# Altium PCB STM PCB.PcbDoc (part 1 of 3) (continued)
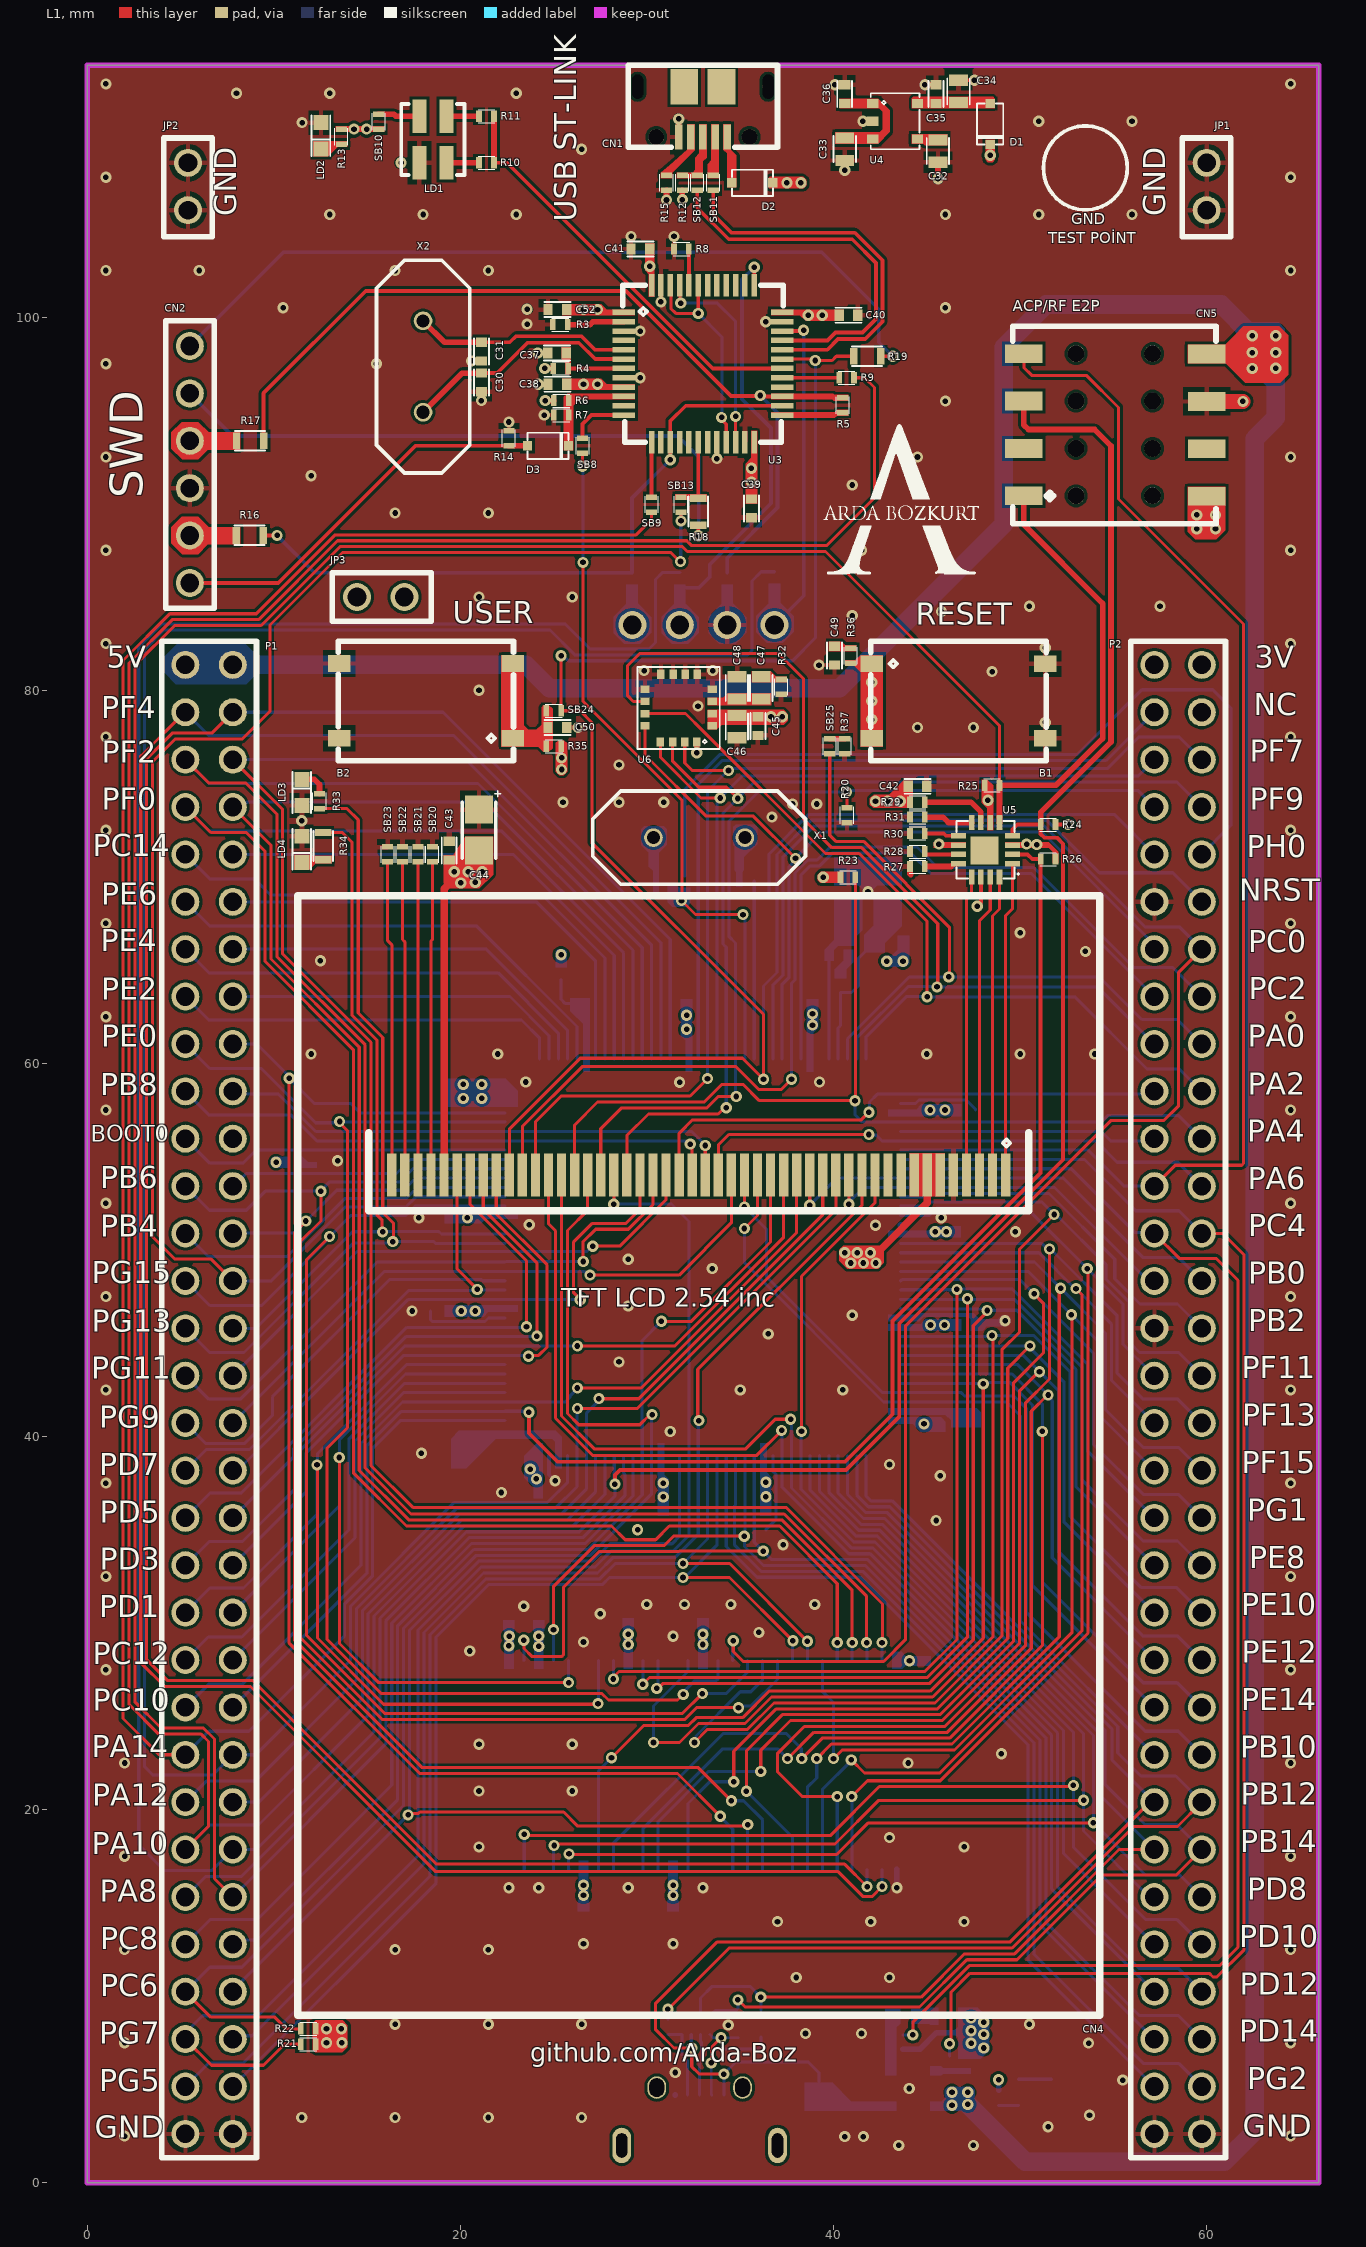
[diagram p0: L1 view]
## Footprints (in the part's own frame and the unit in brackets; to place one, negate y for a bottom-side part, rotate by r counter-clockwise, add the part's x,y. Pads: shape width x height; smd on the part's side, far side on the other; paste and mask are expansions set on the pad) (continued)
SHUNT [mm]
  body extent -2.54,-1.27 2.54,1.27
SOD-323 [mm]
  rect 0.5x0.5 smd mask+0.005: 1(-1.1,0) 2(1.1,0)
  silkscreen extent -1.1,-0.7 1.1,0.7, body extent -1.25,-0.64 1.25,0.64, height 1.17
SOT23-3 [mm]
  rect 0.6x1 smd mask+0.005: 1(-0.95,-1) 2(0.95,-1) 3(0,1)
  silkscreen extent -1.45,-1.1 1.45,0.95, body extent -1.46,-1.18 1.46,1.18, height 1.11
SOT23-5L [mm]
  rect 0.5x0.6 smd mask+0.005: 1(-0.95,-1.2) 2(0,-1.2) 3(0.95,-1.2) 4(0.95,1.2) 5(-0.95,1.2)
  silkscreen extent -1.5,-1.3 1.5,1.3, body extent -1.46,-1.4 1.46,1.4, height 1.45
"USB MİCRO A" [mm]
  oval 1x1.9 hole 0.6 slot 1.3 at 90 deg mask+0.005: 0(-4.175,-1.55) 0(4.175,-1.55)
  oval 1x1.2 hole 0.8 slot 1 at 90 deg mask+0.005: 0(-2.3,1.55) 0(2.3,1.55)
  rect 0.4x1.4 smd mask+0.005: 1(-1.3,1.15) 2(-0.65,1.15) 3(0,1.15) 4(0.65,1.15) 5(1.3,1.15)
  rect 2.9x1.9 smd mask+0.005: 7(0,-1.55)
  silkscreen extent -4.7,-2.6 4.7,1.7, body extent -4.3,-4.25 4.35,1.65, height 2.71
"USB MİCRO B" [mm]
  round 0.6 hole 0.6 slot 1.3 at 90 deg mask+0.005: 0(-3.5,-1.35) 0(3.5,-1.35)
  round 0.85 hole 0.85 mask+0.005: 0(-2.5,1.35) 0(2.5,1.35)
  rect 1.5x1.9 smd mask+0.005: 0(-1,-1.35) 0(1,-1.35)
  rect 0.4x1.35 smd mask+0.005: 1(-1.3,1.35) 2(-0.65,1.35) 3(0,1.35) 4(0.65,1.35) 5(1.3,1.35)
  silkscreen extent -4,-2.5 4,1.9, body extent -4,-3.85 4,1.55, height 2.75

## Part data
B1: library part "BLUE SWITCH TACTILE", "Switch Tactile N.O. SPST Round Button Gull Wing 0.05A 32VDC 1VA 300000Cycle 1.7N SMD T/R", Color=B, Manufacturer="ITT C&K", Manufacturer Part Number=KSC721GLFS, Supplier Part Number=3464289, ComponentLink1Description=https://datasheet.ciiva.com/2900/ksc-2900329.pdf?src-supplier=Digikey, ComponentLink1URL=https://datasheet.ciiva.com/2900/ksc-2900329.pdf?src-supplier=Digikey, ComponentLink2Description=https://datasheet.ciiva.com/2900/ksc-2900330.pdf?src-supplier=Digikey, ComponentLink2URL=https://datasheet.ciiva.com/2900/ksc-2900330.pdf?src-supplier=Digikey, ComponentLink3Description=https://datasheet.ciiva.com/2900/ksc-2900331.pdf?src-supplier=Digikey, ComponentLink3URL=https://datasheet.ciiva.com/2900/ksc-2900331.pdf?src-supplier=Digikey, Pricing="1=0,63, 10=0,59, 25=0,57, 50=0,54, 100=0,52, 250=0,47 (EUR)", RoHS=Yes, Stock=488, Supplier=Farnell
B2: library part "BLACK SWITCH TACTILE", "Switch Tactile N.O. SPST Round Button Gull Wing 0.05A 32VDC 1VA 300000Cycles 1.7N SMD Automotive T/R", Color=Black, Manufacturer="ITT C&K", Supplier Part Number=6485577, Category="Tactile Switches", ComponentLink1Description=https://datasheet.ciiva.com/26903/getdatasheetpartid-80827-26903733.pdf?src-supplier=Verical, ComponentLink1URL=https://datasheet.ciiva.com/26903/getdatasheetpartid-80827-26903733.pdf?src-supplier=Verical, ComponentLink2Description=https://datasheet.ciiva.com/16223/ksc321g20lfs-16223899.pdf?src-supplier=Future+Electronics, ComponentLink2URL=https://datasheet.ciiva.com/16223/ksc321g20lfs-16223899.pdf?src-supplier=Future+Electronics, ComponentLink3Description=https://datasheet.ciiva.com/30466/0900766b8129ca31-30466704.pdf?src-supplier=Rs, ComponentLink3URL=https://datasheet.ciiva.com/30466/0900766b8129ca31-30466704.pdf?src-supplier=Rs, ComponentLink4Description=https://datasheet.ciiva.com/2900/ksc-2900204.pdf?src-supplier=Digikey, ComponentLink4URL=https://datasheet.ciiva.com/2900/ksc-2900204.pdf?src-supplier=Digikey, ComponentLink5Description=https://datasheet.ciiva.com/2900/ksc-2900205.pdf?src-supplier=Digikey, ComponentLink5URL=https://datasheet.ciiva.com/2900/ksc-2900205.pdf?src-supplier=Digikey, ComponentLink6Description=https://datasheet.ciiva.com/2900/ksc-2900206.pdf?src-supplier=Digikey, ComponentLink6URL=https://datasheet.ciiva.com/2900/ksc-2900206.pdf?src-supplier=Digikey, ComponentLink7Description=https://datasheet.ciiva.com/16155/ksc-11mar10-16155558.pdf?src-supplier=Onlinecomponents.com, ComponentLink7URL=https://datasheet.ciiva.com/16155/ksc-11mar10-16155558.pdf?src-supplier=Onlinecomponents.com, ComponentLink8Description=https://datasheet.ciiva.com/46381/1707722-46381951.pdf?src-supplier=Element14, ComponentLink8URL=https://datasheet.ciiva.com/46381/1707722-46381951.pdf?src-supplier=Element14, ComponentLink9Description=https://datasheet.ciiva.com/7987/320569-7987016.pdf?src-supplier=Element14, ComponentLink9URL=https://datasheet.ciiva.com/7987/320569-7987016.pdf?src-supplier=Element14, Manufacturer Part Number=KSC321GLFS, Pricing="2000=0,28 (USD)", RoHS=Yes, Stock=10000, Supplier="Future Electronics"
C1 C3: library part "C-TANT 1UF 10% 16V 1206", "Cap Tant Solid 1uF 16V A CASE 10%( 3.2 X 1.6 X 1.6mm) Inward L SMD 3216-18 11 Ohm 125C T/R", Case Code (Metric)=3216, Case Code (Imperial)=1206, Dielectric Material=Tantalum, ESR (Equivalent Series Resistance)=11R, Leakage Current=500nA, Manufacturer="Kyocera AVX", Max Operating Temperature=125°C, Min Operating Temperature=-55°C, Tolerance=20%, Voltage=16V, Case/Package=1206, Category="Tantalum Capacitors", ComponentLink1Description=https://datasheet.ciiva.com/18710/taj-eng-18710647.pdf?src-supplier=Distrelec, ComponentLink1URL=https://datasheet.ciiva.com/18710/taj-eng-18710647.pdf?src-supplier=Distrelec, ComponentLink2Description=https://datasheet.ciiva.com/7832/taj-7832811.pdf?src-supplier=Element14, ComponentLink2URL=https://datasheet.ciiva.com/7832/taj-7832811.pdf?src-supplier=Element14, ComponentLink3Description=https://datasheet.ciiva.com/7832/taj-7832810.pdf?src-supplier=Element14, ComponentLink3URL=https://datasheet.ciiva.com/7832/taj-7832810.pdf?src-supplier=Element14, ComponentLink4Description=https://datasheet.ciiva.com/7832/1680476-7832431.pdf?src-supplier=Element14, ComponentLink4URL=https://datasheet.ciiva.com/7832/1680476-7832431.pdf?src-supplier=Element14, ComponentLink5Description=https://datasheet.ciiva.com/263/taj-263410.pdf?src-supplier=Digikey, ComponentLink5URL=https://datasheet.ciiva.com/263/taj-263410.pdf?src-supplier=Digikey, ComponentLink6Description=https://datasheet.ciiva.com/263/taj-263409.pdf?src-supplier=Digikey, ComponentLink6URL=https://datasheet.ciiva.com/263/taj-263409.pdf?src-supplier=Digikey, ComponentLink7Description=https://datasheet.ciiva.com/263/taj-263411.pdf?src-supplier=Digikey, ComponentLink7URL=https://datasheet.ciiva.com/263/taj-263411.pdf?src-supplier=Digikey, ComponentLink8Description=https://datasheet.ciiva.com/7832/1703059-7832429.pdf?src-supplier=Element14, ComponentLink8URL=https://datasheet.ciiva.com/7832/1703059-7832429.pdf?src-supplier=Element14, ComponentLink9Description=https://datasheet.ciiva.com/7832/1703059-7832430.pdf?src-supplier=Element14, ComponentLink9URL=https://datasheet.ciiva.com/7832/1703059-7832430.pdf?src-supplier=Element14, Depth=1.6mm, Dissipation Factor=4%, Features="General Purpose", Height=1.6mm, Lead Pitch=1.1mm, Length=3.2mm, Manufacturer Part Number=TAJA105K016RNJ, Mounting Technology="Surface Mount,PCB", Packaging="Tape and Reel", Pins=2, Pricing="2000=0,15379 (USD)", Reach SVHC Compliant=No, RoHS=Yes, RoHS Compliant=Yes, Series=TAJ, Stock=104000, Supplier=Avnet, Supplier Part Number=TAJA105K016RNJ, Termination=SMD/SMT, Voltage Rating=16V, Voltage Rating (DC)=16V, Weight=0.000571oz, Width=1.6mm
C2 C4 C6 C7 C8 C9 C10 C11 C12 C13 C14 C15 C16 C17 C18 C23 C24 C25 C26 C27 C28 C29 C35 C36 C37 C38 C39 C40 C41 C42 C43 C45 C49 C50 C52: library part "CAP CER 100nF 16V X7R 0402", "Multilayer Ceramic Capacitor, 0.1 uF, 25 V, ± 10%, X7R, 0402 [1005 Metric]", Case Code (Metric)=1005, Case Code (Imperial)=0402, Dielectric=X7R, Manufacturer=Yageo, Max Operating Temperature=125°C, Min Operating Temperature=-55°C, Package Quantity=1, Supplier Part Number=8517856, Temperature Coefficient=30ppm/°C, Tolerance=10%, Voltage=16V, Case/Package=0402, Category="Ceramic Capacitors", ComponentLink1Description=https://datasheet.ciiva.com/11788/0900766b80ce67ed-11788364.pdf?src-supplier=Rs, ComponentLink1URL=https://datasheet.ciiva.com/11788/0900766b80ce67ed-11788364.pdf?src-supplier=Rs, ComponentLink2Description=https://datasheet.ciiva.com/7978/1489800-7978111.pdf?src-supplier=Element14, ComponentLink2URL=https://datasheet.ciiva.com/7978/1489800-7978111.pdf?src-supplier=Element14, ComponentLink3Description=https://datasheet.ciiva.com/161/mlccorderingcode-161545.pdf?src-supplier=Digikey, ComponentLink3URL=https://datasheet.ciiva.com/161/mlccorderingcode-161545.pdf?src-supplier=Digikey, ComponentLink4Description=https://datasheet.ciiva.com/161/mlccorderingcode-161544.pdf?src-supplier=Digikey, ComponentLink4URL=https://datasheet.ciiva.com/161/mlccorderingcode-161544.pdf?src-supplier=Digikey, ComponentLink5Description=https://datasheet.ciiva.com/161/mlccorderingcode-161546.pdf?src-supplier=Digikey, ComponentLink5URL=https://datasheet.ciiva.com/161/mlccorderingcode-161546.pdf?src-supplier=Digikey, ComponentLink6Description=https://datasheet.ciiva.com/8033/1734573-8033661.pdf?src-supplier=Element14, ComponentLink6URL=https://datasheet.ciiva.com/8033/1734573-8033661.pdf?src-supplier=Element14, ComponentLink7Description=https://datasheet.ciiva.com/11587/upy-gphc-x7r-6-3v-to-50v-8-11587305.pdf?src-supplier=Avnet, ComponentLink7URL=https://datasheet.ciiva.com/11587/upy-gphc-x7r-6-3v-to-50v-8-11587305.pdf?src-supplier=Avnet, ComponentLink8Description=https://datasheet.ciiva.com/28450/1489800-28450335.pdf?src-supplier=Element14, ComponentLink8URL=https://datasheet.ciiva.com/28450/1489800-28450335.pdf?src-supplier=Element14, ComponentLink9Description=https://datasheet.ciiva.com/13395/upy-gphc-x7r-6-3v-to-50v-8-13395676.pdf?src-supplier=Mouser, ComponentLink9URL=https://datasheet.ciiva.com/13395/upy-gphc-x7r-6-3v-to-50v-8-13395676.pdf?src-supplier=Mouser, ComponentLink10Description=https://datasheet.ciiva.com/8033/1734573-8033663.pdf?src-supplier=Element14, ComponentLink10URL=https://datasheet.ciiva.com/8033/1734573-8033663.pdf?src-supplier=Element14, Depth=0.5mm, Halogen Free=5694HalogenFree, Height=0.5mm, Lead Free=5697LeadFree, Length=1mm, Manufacturer Part Number=CC0402KRX7R7BB104, Material=4241ConductorMaterial, Mounting Technology="Surface Mount", Packaging="Tape and Reel", Pins=2, Pricing="10000=0,0028, 40000=0,0027, 150000=0,0025, 300000=0,0025, 750000=0,0023 (USD)", Radiation Hardening=No, Reach SVHC Compliant=No, RoHS=Yes, RoHS Compliant=Yes, Series=CC, Stock=30330000, Supplier="Future Electronics", Termination=SMD/SMT, Thickness=0.022inch, Voltage Rating=16V, Voltage Rating (AC)=16V, Voltage Rating (DC)=16V, Width=0.02inch
C5 C19 C30 C31: library part "CAP CER 20PF 50V C0G/NPO 0402", "CAP CER 20PF 50V C0G/NPO 0402", Manufacturer=Yageo, Supplier Part Number=9739384, Temperature Coefficient=30ppm/°C, Category="Ceramic Capacitors", ComponentLink1Description=https://datasheet.ciiva.com/176/mlccorderingcode-176360.pdf?src-supplier=Digikey, ComponentLink1URL=https://datasheet.ciiva.com/176/mlccorderingcode-176360.pdf?src-supplier=Digikey, ComponentLink2Description=https://datasheet.ciiva.com/176/mlccorderingcode-176361.pdf?src-supplier=Digikey, ComponentLink2URL=https://datasheet.ciiva.com/176/mlccorderingcode-176361.pdf?src-supplier=Digikey, ComponentLink3Description=https://datasheet.ciiva.com/176/mlccorderingcode-176362.pdf?src-supplier=Digikey, ComponentLink3URL=https://datasheet.ciiva.com/176/mlccorderingcode-176362.pdf?src-supplier=Digikey, ComponentLink4Description=https://datasheet.ciiva.com/7656/1132289-7656614.pdf?src-supplier=Element14, ComponentLink4URL=https://datasheet.ciiva.com/7656/1132289-7656614.pdf?src-supplier=Element14, ComponentLink5Description=https://datasheet.ciiva.com/5427/upy-gp-np0-16v-to-50v-8-3714-5427769.pdf?src-supplier=Mouser, ComponentLink5URL=https://datasheet.ciiva.com/5427/upy-gp-np0-16v-to-50v-8-3714-5427769.pdf?src-supplier=Mouser, Halogen Free=5694HalogenFree, Manufacturer Part Number=CC0402JRNPO9BN200, Pricing="10000=0,0025, 40000=0,0023, 150000=0,0022, 300000=0,0022, 750000=0,002 (USD)", RoHS=Yes, Stock=60000, Supplier="Future Electronics"
C20 C33 C34: library part "CAP CER 1UF 25V X5R 0603", "Multilayer Ceramic Capacitor, 1 uF, 25 V, ± 10%, X5R, 0603 [1608 Metric]", Case Code (Metric)=1608, Case Code (Imperial)=0603, Dielectric=X5R, Manufacturer=Yageo, Max Operating Temperature=85°C, Min Operating Temperature=-55°C, Supplier Part Number=5636071, Tolerance=10%, Voltage Rating=25V, Case/Package=0603, Category="Ceramic Capacitors", ComponentLink1Description=https://datasheet.ciiva.com/7978/1525783-7978171.pdf?src-supplier=Element14, ComponentLink1URL=https://datasheet.ciiva.com/7978/1525783-7978171.pdf?src-supplier=Element14, ComponentLink2Description=https://datasheet.ciiva.com/176/mlccorderingcode-176786.pdf?src-supplier=Digikey, ComponentLink2URL=https://datasheet.ciiva.com/176/mlccorderingcode-176786.pdf?src-supplier=Digikey, ComponentLink3Description=https://datasheet.ciiva.com/176/mlccorderingcode-176785.pdf?src-supplier=Digikey, ComponentLink3URL=https://datasheet.ciiva.com/176/mlccorderingcode-176785.pdf?src-supplier=Digikey, ComponentLink4Description=https://datasheet.ciiva.com/176/mlccorderingcode-176787.pdf?src-supplier=Digikey, ComponentLink4URL=https://datasheet.ciiva.com/176/mlccorderingcode-176787.pdf?src-supplier=Digikey, ComponentLink5Description=https://datasheet.ciiva.com/11586/upy-gphc-x5r-4v-to-50v-12-11586318.pdf?src-supplier=Avnet, ComponentLink5URL=https://datasheet.ciiva.com/11586/upy-gphc-x5r-4v-to-50v-12-11586318.pdf?src-supplier=Avnet, Construction=Flat, Depth=0.8mm, Halogen Free=5694HalogenFree, Height=0.8mm, Lead Free=5697LeadFree, Length=1.6mm, Manufacturer Part Number=CC0603KRX5R8BB105, Material=4241ConductorMaterial, Mounting Technology="Surface Mount", Packaging="Tape and Reel", Pins=2, Pricing="4000=0,0113, 16000=0,0107, 40000=0,0104, 100000=0,0101, 160000=0,0095 (USD)", Radiation Hardening=No, Reach SVHC Compliant=No, RoHS=Yes, RoHS Compliant=Yes, Series=CC, Stock=3696000, Supplier="Future Electronics", Termination=SMD/SMT, Voltage Rating (DC)=25V
C21 C22: library part "CAP CER 2.2UF 16V X7R 1206", "Surface Mount Ceramic Multilayer Capacitor 2.2uF 10% X7R 16V 1206 Blister T/R", Manufacturer=Yageo, Supplier Part Number=6606222, Category="Ceramic Capacitors", ComponentLink1Description=https://datasheet.ciiva.com/11788/0900766b80d84f1d-11788402.pdf?src-supplier=Rs, ComponentLink1URL=https://datasheet.ciiva.com/11788/0900766b80d84f1d-11788402.pdf?src-supplier=Rs, ComponentLink2Description=https://datasheet.ciiva.com/11466/upy-gphc-x7r-6-3v-to-50v-8-11466572.pdf?src-supplier=Avnet, ComponentLink2URL=https://datasheet.ciiva.com/11466/upy-gphc-x7r-6-3v-to-50v-8-11466572.pdf?src-supplier=Avnet, ComponentLink3Description=https://datasheet.ciiva.com/5425/upy-gphc-x7r-6-3v-to-50v-8-12304-5425499.pdf?src-supplier=Mouser, ComponentLink3URL=https://datasheet.ciiva.com/5425/upy-gphc-x7r-6-3v-to-50v-8-12304-5425499.pdf?src-supplier=Mouser, Manufacturer Part Number=CC1206KKX7R7BB225, Material=4241ConductorMaterial, Pricing="3000=0,0378, 9000=0,0363, 15000=0,0357, 30000=0,0348, 60000=0,0335 (USD)", RoHS=Yes, Stock=141000, Supplier="Future Electronics"
C32: library part "CAP CER 10nF 50V X7R 0603", "Multilayer Ceramic Capacitor, 0.01 uF, 50 V, ± 10%, X7R, 0603 [1608 Metric]", Case Code (Metric)=1608, Case Code (Imperial)=0603, Dielectric=X7R, Manufacturer=Yageo, Max Operating Temperature=125°C, Min Operating Temperature=-55°C, Package Quantity=1, Supplier Part Number=4131256, Tolerance=10%, Voltage=50V, Insulation Resistance=100GR, Case/Package=0603, Category="Ceramic Capacitors", ComponentLink1Description=https://datasheet.ciiva.com/11788/0900766b8079c870-11788374.pdf?src-supplier=Rs, ComponentLink1URL=https://datasheet.ciiva.com/11788/0900766b8079c870-11788374.pdf?src-supplier=Rs, ComponentLink2Description=https://datasheet.ciiva.com/26862/getdatasheetpartid-403582-26862846.pdf?src-supplier=Verical, ComponentLink2URL=https://datasheet.ciiva.com/26862/getdatasheetpartid-403582-26862846.pdf?src-supplier=Verical, ComponentLink3Description=https://datasheet.ciiva.com/8033/70765-8033817.pdf?src-supplier=Element14, ComponentLink3URL=https://datasheet.ciiva.com/8033/70765-8033817.pdf?src-supplier=Element14, ComponentLink4Description=https://datasheet.ciiva.com/28450/1489800-28450619.pdf?src-supplier=Element14, ComponentLink4URL=https://datasheet.ciiva.com/28450/1489800-28450619.pdf?src-supplier=Element14, ComponentLink5Description=https://datasheet.ciiva.com/176/mlccorderingcode-176550.pdf?src-supplier=Digikey, ComponentLink5URL=https://datasheet.ciiva.com/176/mlccorderingcode-176550.pdf?src-supplier=Digikey, ComponentLink6Description=https://datasheet.ciiva.com/176/mlccorderingcode-176552.pdf?src-supplier=Digikey, ComponentLink6URL=https://datasheet.ciiva.com/176/mlccorderingcode-176552.pdf?src-supplier=Digikey, ComponentLink7Description=https://datasheet.ciiva.com/8033/1734573-8033816.pdf?src-supplier=Element14, ComponentLink7URL=https://datasheet.ciiva.com/8033/1734573-8033816.pdf?src-supplier=Element14, ComponentLink8Description=https://datasheet.ciiva.com/8033/1734573-8033861.pdf?src-supplier=Element14, ComponentLink8URL=https://datasheet.ciiva.com/8033/1734573-8033861.pdf?src-supplier=Element14, ComponentLink9Description=https://datasheet.ciiva.com/176/mlccorderingcode-176551.pdf?src-supplier=Digikey, ComponentLink9URL=https://datasheet.ciiva.com/176/mlccorderingcode-176551.pdf?src-supplier=Digikey, ComponentLink10Description=https://datasheet.ciiva.com/13389/upy-gphc-x7r-6-3v-to-50v-8-13389991.pdf?src-supplier=Mouser, ComponentLink10URL=https://datasheet.ciiva.com/13389/upy-gphc-x7r-6-3v-to-50v-8-13389991.pdf?src-supplier=Mouser, Depth=0.8mm, Halogen Free=5694HalogenFree, Height=0.8mm, Lead Free=5697LeadFree, Length=1.6mm, Manufacturer Part Number=CC0603KRX7R9BB103, Material=Ceramic, Mounting Technology="Surface Mount", Packaging="Tape and Reel", Pins=2, Pricing="4000=0,0037, 16000=0,0032, 40000=0,0034, 80000=0,003, 120000=0,0033, 160000=0,0029, 500000=0,0031, 1200000=0,0029 (USD)", Radiation Hardening=No, Reach SVHC Compliant=Unknown, RoHS=Yes, RoHS Compliant=Yes, Series=CC, Stock=5740000, Supplier="Future Electronics", Termination=SMD/SMT, Thickness=0.035inch, Voltage Rating=50V, Voltage Rating (DC)=50V, Width=0.031inch
C44 C51: library part "C-TANT POLY 4.7UF 10V 1206", "Cap Tant Polymer 4.7uF 10V K CASE 20% (3.2 x 1.6 x 1mm) SMD 300m Ohm 105°C T/R", Manufacturer="Kyocera AVX", Manufacturer Part Number=TCJK475M010R0300E, Pricing="3000=0,72395 (USD)", RoHS=Yes, Supplier=Avnet, Supplier Part Number=TCJK475M010R0300E
C46 C48: library part "CAP CER 10UF 10V X5R 0603", "Multilayer Ceramic Capacitor, 10 uF, 10 V, ± 10%, X5R, 0603 [1608 Metric]", Case Code (Metric)=1608, Case Code (Imperial)=0603, Dielectric=X5R, Manufacturer=Samsung, Max Operating Temperature=85°C, Min Operating Temperature=-55°C, Package Quantity=1, Tolerance=10%, Voltage Rating=10V, Case/Package=0603, Category="Ceramic Capacitors", ComponentLink1Description=https://datasheet.ciiva.com/26877/getdatasheetpartid-359551-26877881.pdf?src-supplier=Verical, ComponentLink1URL=https://datasheet.ciiva.com/26877/getdatasheetpartid-359551-26877881.pdf?src-supplier=Verical, ComponentLink2Description=https://datasheet.ciiva.com/29198/457369-da-01-en-vs-kondensator-0603-29198790.pdf?src-supplier=Conrad, ComponentLink2URL=https://datasheet.ciiva.com/29198/457369-da-01-en-vs-kondensator-0603-29198790.pdf?src-supplier=Conrad, ComponentLink3Description=https://datasheet.ciiva.com/16200/cl05b104kq5nnnc-16200766.pdf?src-supplier=Future+Electronics, ComponentLink3URL=https://datasheet.ciiva.com/16200/cl05b104kq5nnnc-16200766.pdf?src-supplier=Future+Electronics, Construction=Flat, Depth=0.8mm, Height=0.8mm, Lead Free="Lead Free", Length=1.6mm, Manufacturer Part Number=CL10A106KP8NNNC, Material=Ceramic, Mounting Technology="Surface Mount", Packaging="Tape and Reel", Pricing="4000=0,02306, 8000=0,02253, 16000=0,022, 24000=0,02147, 32000=0,02094 (USD)", Radiation Hardening=No, RoHS=Yes, RoHS Compliant=Yes, Series=CL, Stock=204000, Supplier=Avnet, Supplier Part Number=CL10A106KP8NNNC, Thickness=0.035inch, Voltage Rating (DC)=10V, Width=0.031inch
C47: library part "CAP CER 470nF 16V X7R 0603", "Multilayer Ceramic Capacitor, 0.47 uF, 16 V, ± 10%, X7R, 0603 [1608 Metric]", Manufacturer=Yageo, Supplier Part Number=6653356, Category="Ceramic Capacitors", ComponentLink1Description=https://datasheet.ciiva.com/26862/getdatasheetpartid-403574-26862831.pdf?src-supplier=Verical, ComponentLink1URL=https://datasheet.ciiva.com/26862/getdatasheetpartid-403574-26862831.pdf?src-supplier=Verical, ComponentLink2Description=https://datasheet.ciiva.com/176/mlccorderingcode-176901.pdf?src-supplier=Digikey, ComponentLink2URL=https://datasheet.ciiva.com/176/mlccorderingcode-176901.pdf?src-supplier=Digikey, ComponentLink3Description=https://datasheet.ciiva.com/176/mlccorderingcode-176902.pdf?src-supplier=Digikey, ComponentLink3URL=https://datasheet.ciiva.com/176/mlccorderingcode-176902.pdf?src-supplier=Digikey, ComponentLink4Description=https://datasheet.ciiva.com/176/mlccorderingcode-176903.pdf?src-supplier=Digikey, ComponentLink4URL=https://datasheet.ciiva.com/176/mlccorderingcode-176903.pdf?src-supplier=Digikey, ComponentLink5Description=https://datasheet.ciiva.com/28450/1489800-28450569.pdf?src-supplier=Element14, ComponentLink5URL=https://datasheet.ciiva.com/28450/1489800-28450569.pdf?src-supplier=Element14, Manufacturer Part Number=CC0603KRX7R7BB474, Material=4241ConductorMaterial, Pricing="4000=0,0144, 12000=0,0139, 20000=0,0137, 80000=0,0131, 120000=0,0127 (USD)", RoHS=Yes, Stock=68000, Supplier="Future Electronics"
CN1: library part "CONN USB MICRO B SMD", "Conn Micro USB 2.0 Type B RCP 5 POS 0.65mm Solder RA SMD 5 Terminal 1 Port Micro-USB T/R", Current Rating=1.8A, Manufacturer=Molex, Max Operating Temperature=85°C, Max Voltage Rating (AC)=30V, Min Operating Temperature=-30°C, Supplier Part Number=538-105017-0001, Category="USB Connectors", ComponentLink1Description=https://datasheet.ciiva.com/3094/1050170001-io-connectors-3094416.pdf?src-supplier=Avnet, ComponentLink1URL=https://datasheet.ciiva.com/3094/1050170001-io-connectors-3094416.pdf?src-supplier=Avnet, ComponentLink2Description=https://datasheet.ciiva.com/4598/1050170001-io-connectors-152207-4598759.pdf?src-supplier=Mouser, ComponentLink2URL=https://datasheet.ciiva.com/4598/1050170001-io-connectors-152207-4598759.pdf?src-supplier=Mouser, ComponentLink3Description=https://datasheet.ciiva.com/851/1050170001-sd-851276.pdf?src-supplier=Digikey, ComponentLink3URL=https://datasheet.ciiva.com/851/1050170001-sd-851276.pdf?src-supplier=Digikey, ComponentLink4Description=https://datasheet.ciiva.com/851/1050170001-sd-851277.pdf?src-supplier=Digikey, ComponentLink4URL=https://datasheet.ciiva.com/851/1050170001-sd-851277.pdf?src-supplier=Digikey, ComponentLink5Description=https://datasheet.ciiva.com/851/1050170001-sd-851278.pdf?src-supplier=Digikey, ComponentLink5URL=https://datasheet.ciiva.com/851/1050170001-sd-851278.pdf?src-supplier=Digikey, ComponentLink6Description=https://datasheet.ciiva.com/16668/1050170001-io-connectors-16668598.pdf?, ComponentLink6URL=https://datasheet.ciiva.com/16668/1050170001-io-connectors-16668598.pdf?, Connector Type=USB, Contact Material="Copper Alloy,Copper", Contact Plating=Gold, Depth=7.5mm, Gender=Receptacle, Halogen Free=5696HalogenFree, Housing Material=Polymer, Length=8.2mm, Manufacturer Part Number=1050170001, Mounting Technology="Surface Mount", Number of Circuits=5, Number of Contacts=5, Number of Ports=1, Number of Positions=5, Number of Rows=1NUMBER, Orientation="Right Angle", Packaging="Tape and Reel", Pitch=0.65mm, Plating=157ConductorMaterial, Pricing="1=0,86, 10=0,736, 50=0,736, 100=0,67, 1000=0,555, 10000=0,495 (USD)", Reach SVHC Compliant=Unknown, RoHS=Yes, RoHS Compliant=Yes, Series=105017, Stock=51934, Supplier=Mouser, Termination=Solder, USB Standard="USB 2.0", Voltage Rating=30V
CN2: library part "CONN 6POS", "Conn Unshrouded Header HDR 6 POS 2.54mm Solder ST Top Entry Thru-Hole Tube", Manufacturer=Samtec, Supplier Part Number=200-TS106GA, Category=Connectors, ComponentLink1Description=https://datasheet.ciiva.com/25618/0900766b8115cecc-25618092.pdf?src-supplier=Rs, ComponentLink1URL=https://datasheet.ciiva.com/25618/0900766b8115cecc-25618092.pdf?src-supplier=Rs, ComponentLink2Description=https://datasheet.ciiva.com/410/tx-1xx-x-x-mkt1-410231.pdf?src-supplier=Digikey, ComponentLink2URL=https://datasheet.ciiva.com/410/tx-1xx-x-x-mkt1-410231.pdf?src-supplier=Digikey, ComponentLink3Description=https://datasheet.ciiva.com/22677/1843794-22677736.pdf?src-supplier=Element14, ComponentLink3URL=https://datasheet.ciiva.com/22677/1843794-22677736.pdf?src-supplier=Element14, Manufacturer Part Number=TS-106-G-A, Pricing="1=1,86, 10=1,86, 50=1,86, 100=1,86, 1000=1,14, 10000=0,67 (USD)", RoHS=Yes, Stock=123, Supplier=Mouser
CN3: library part "CONN 4POS GOLD", "THT Vertical Pin Header WR-PHD, Pitch 2.54 mm, Single Row, 4 pins", Color=Black, Contact Resistance=20mR, Current Rating=3A, Manufacturer="Wurth Electronics", Max Operating Temperature=105°C, Min Operating Temperature=-40°C, Operating Supply Voltage=250V, Supplier Part Number=2356155, Category="Headers and Wire Housings", ComponentLink1Description=http://www.farnell.com/cad/1737268.pdf?src-supplier=Element14, ComponentLink1URL=http://www.farnell.com/cad/1737268.pdf?src-supplier=Element14, ComponentLink2Description=https://datasheet.octopart.com/61300411121-W%C3%BCrth-Elektronik-datasheet-21154836.pdf?src-supplier=Element14, ComponentLink2URL=https://datasheet.octopart.com/61300411121-W%C3%BCrth-Elektronik-datasheet-21154836.pdf?src-supplier=Element14, ComponentLink3Description=https://katalog.we-online.de/em/datasheet/6130xx11121.pdf?src-supplier=Digikey, ComponentLink3URL=https://katalog.we-online.de/em/datasheet/6130xx11121.pdf?src-supplier=Digikey, Contact Material=Copper, Contact Mating Length=0.236inch, Contact Plating=Gold, Contact Type="Male Pin", Gender=29Gender, Height=8.89mm, Lead Free=5697LeadFree, Manufacturer Part Number=61300411121, Mounting Technology="Through Hole", Number of Contacts=4, Number of Positions=4, Number of Rows=1, Orientation=5495OrientationType, Packaging=Bulk, Pitch=0.1inch, Pricing="100=0,103, 500=0,096, 1000=0,089, 2500=0,087, 5000=0,085, 10000=0,083 (EUR)", Reach SVHC Compliant=Unknown, RoHS=Yes, RoHS Compliant=Yes, Series=WR-PHD, Stock=4500, Supplier=Farnell, Termination=Solder, Voltage Rating=250V
CN4: library part "LCD 320X240 2.54ınc", High Temperature Storage="70 ℃, 48 hrs", Low Temperature Storage="-20 ℃, 48 hrs", Max Power supply voltage=4.6V, Min Power supply voltage=0.3V, Active Area="36.72*48.96 mm", ComponentLink1Description=DataSheet, ComponentLink1URL=https://community.st.com/ysqtg83639/attachments/ysqtg83639/mcu-touch-gfx-gui-forum/1401/1/FRIDA_LCD_FRD240C48003-B.pdf, Outline Dimension="42.72*60.26*3.55 mm", Resolution="240 × RGB ×320", Screen Size=2.4inch, Interface=SPI/MCU/SPI_RGB
CN5: library part "CONN 2*8POS 2.54MM", "Connector Socket Strip SKT 8 POS 2.54mm Solder RA SMD", Manufacturer=Samtec, Supplier Part Number=200-SSM104LDH, Category=Connectors, ComponentLink1Description=https://datasheet.ciiva.com/25617/0900766b81159465-25617452.pdf?src-supplier=Rs, ComponentLink1URL=https://datasheet.ciiva.com/25617/0900766b81159465-25617452.pdf?src-supplier=Rs, ComponentLink2Description=https://datasheet.ciiva.com/746/ssm-1xx-xxx-xx-xx-xx-x-xx-xx-mkt-746592.pdf?src-supplier=Digikey, ComponentLink2URL=https://datasheet.ciiva.com/746/ssm-1xx-xxx-xx-xx-xx-x-xx-xx-mkt-746592.pdf?src-supplier=Digikey, Manufacturer Part Number=SSM-104-L-DH, Pricing="1=3,24, 10=3,24, 50=3,24, 100=3,24, 1000=1,99, 10000=1,12 (USD)", RoHS=Yes, Stock=39, Supplier=Mouser
CN6: library part "CONN USB MİCRO A 5P", "USB Connector, 5 Contact(s), Female, Right Angle, Surface Mount Terminal, Locking, Receptacle", Manufacturer=Molex, Manufacturer Part Number=47590-0001, Supplier Part Number=538-47590-0001, Category="USB Connectors", Plating=157ConductorMaterial, Pricing="1=0,79, 10=0,699, 50=0,699, 100=0,582, 1000=0,53, 10000=0,421 (USD)", RoHS=Yes, Stock=13739, Supplier=Mouser
D1 D2 D3: library part "DIODE SCHOTTKY 10V 3A SOD323", "Rectifier Diode, Schottky, 1 Phase, 1 Element, 3A, 10V V(RRM), Silicon", Manufacturer=STMicroelectronics, Peak Voltage=10V, Supplier Part Number=511-BAT60JFILM, Category="Rectifier Diodes", ComponentLink1Description=https://datasheet.ciiva.com/4714/cd00001944-96586-4714681.pdf?src-supplier=Mouser, ComponentLink1URL=https://datasheet.ciiva.com/4714/cd00001944-96586-4714681.pdf?src-supplier=Mouser, ComponentLink2Description=https://datasheet.ciiva.com/1200/1689728-1200741.pdf?src-supplier=Farnell, ComponentLink2URL=https://datasheet.ciiva.com/1200/1689728-1200741.pdf?src-supplier=Farnell, ComponentLink3Description=https://datasheet.ciiva.com/17078/bat60jfilm-17078717.pdf?src-supplier=Allied+Electronics, ComponentLink3URL=https://datasheet.ciiva.com/17078/bat60jfilm-17078717.pdf?src-supplier=Allied+Electronics, ComponentLink4Description=https://datasheet.ciiva.com/23916/cd00001944-23916545.pdf?src-supplier=Newark, ComponentLink4URL=https://datasheet.ciiva.com/23916/cd00001944-23916545.pdf?src-supplier=Newark, ComponentLink5Description=https://datasheet.ciiva.com/15144/getdatasheetpartid-91415-15144683.pdf?src-supplier=Verical, ComponentLink5URL=https://datasheet.ciiva.com/15144/getdatasheetpartid-91415-15144683.pdf?src-supplier=Verical, ComponentLink6Description=https://datasheet.ciiva.com/915/cd00001944-915607.pdf?src-supplier=Digikey, ComponentLink6URL=https://datasheet.ciiva.com/915/cd00001944-915607.pdf?src-supplier=Digikey, ComponentLink7Description=https://datasheet.ciiva.com/915/cd00001944-915608.pdf?src-supplier=Digikey, ComponentLink7URL=https://datasheet.ciiva.com/915/cd00001944-915608.pdf?src-supplier=Digikey, ComponentLink8Description=https://datasheet.ciiva.com/915/cd00001944-915609.pdf?src-supplier=Digikey, ComponentLink8URL=https://datasheet.ciiva.com/915/cd00001944-915609.pdf?src-supplier=Digikey, Manufacturer Part Number=BAT60JFILM, Pricing="1=0,34, 10=0,237, 50=0,237, 100=0,104, 1000=0,076, 10000=0,054 (USD)", RoHS=Yes, Stock=21401, Supplier=Mouser